# Altium PCB IceZUM_Core_HX1K.PcbDoc (part 1 of 2) (continued)
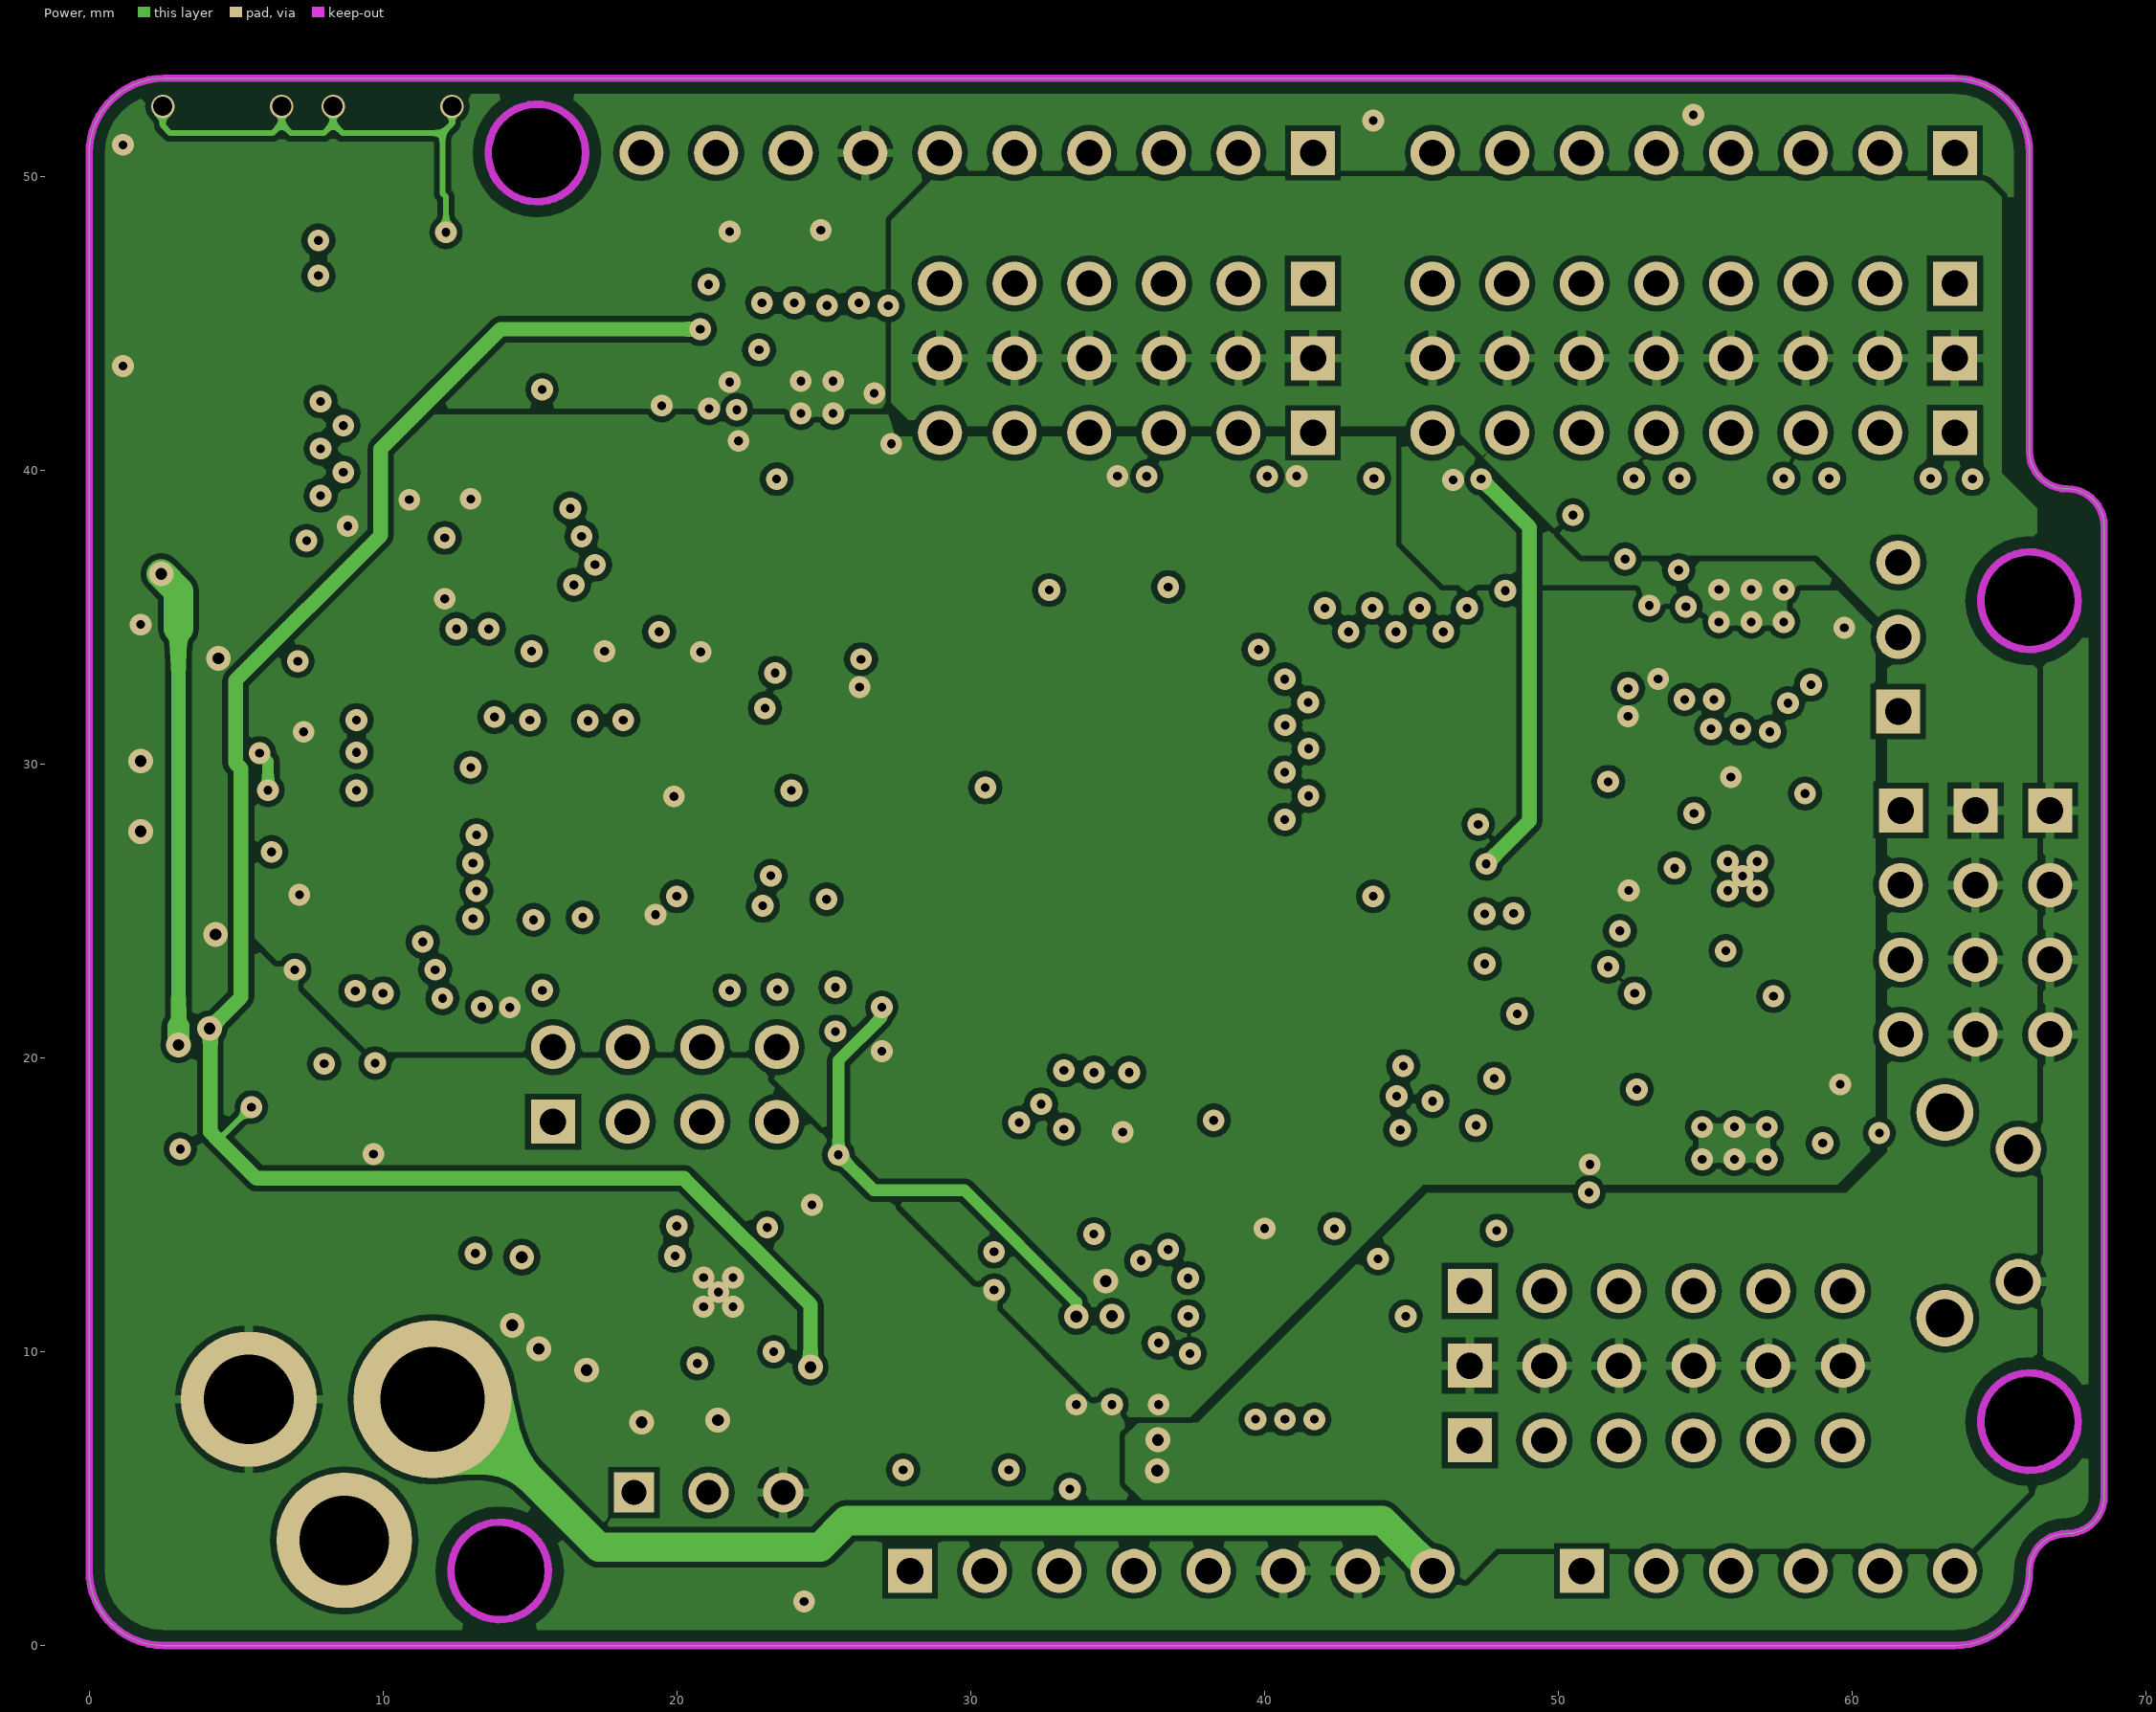
[diagram p3: Power]
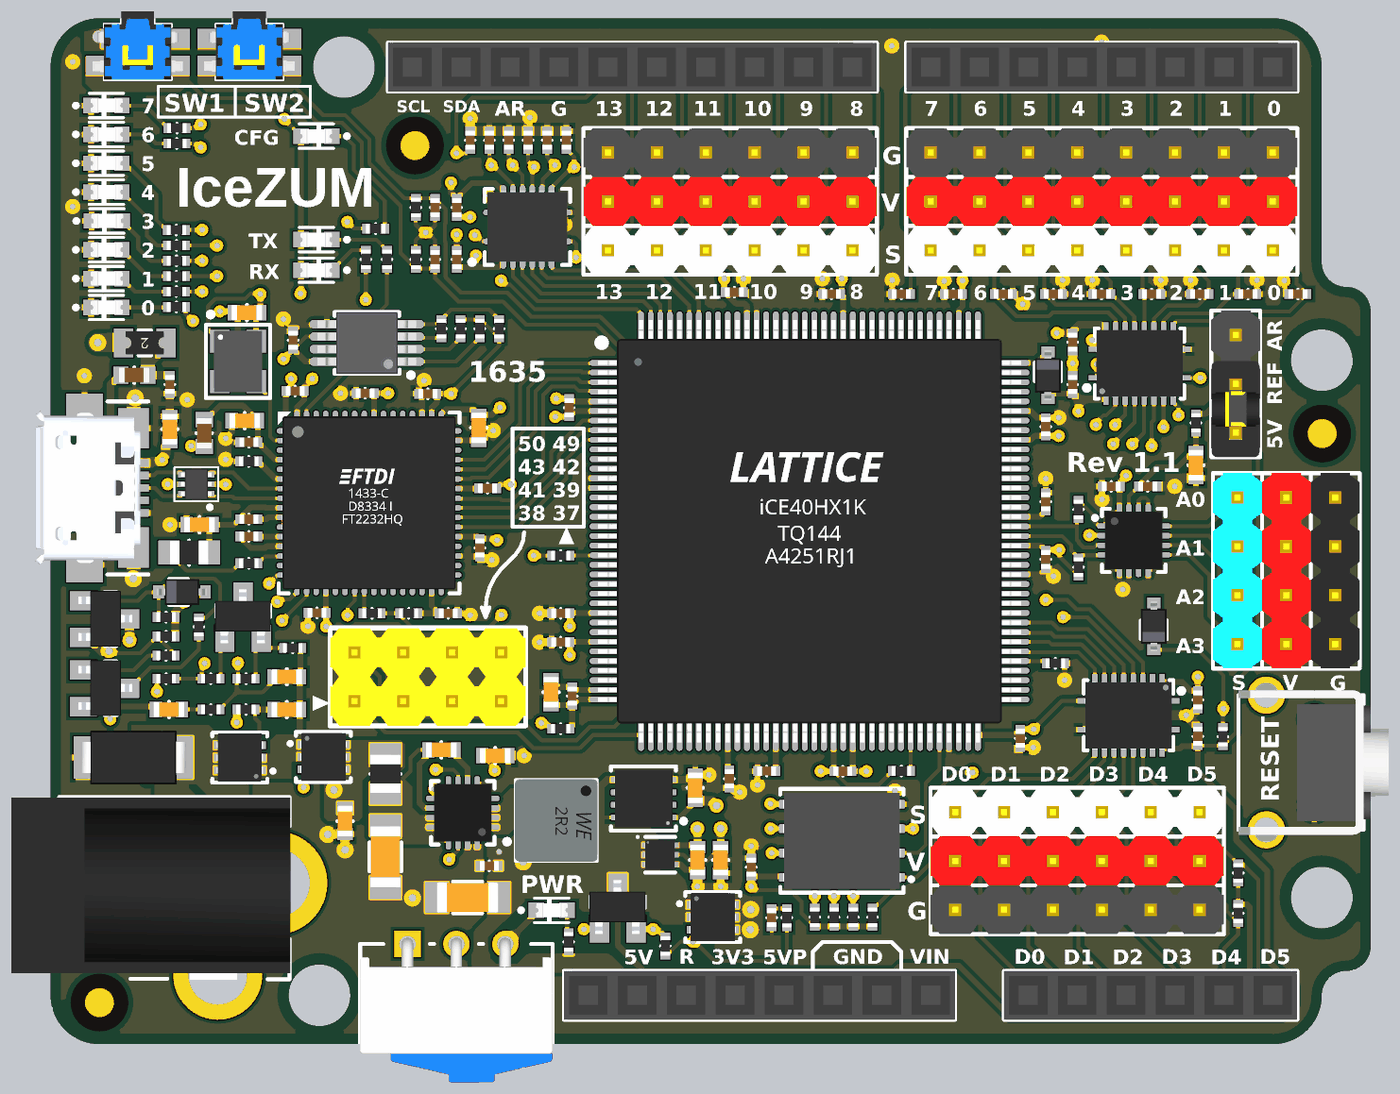
[diagram p5: 3D render of the assembled board from above, using the file's embedded part models]

## Layer stack, top to bottom
Top Solder: solder mask 0.0102, Solder Resist, Dk 3.5
Top Layer: signal copper 0.0356
Dielectric 1: prepreg 0.127, FR-4, Dk 4.2
GND: signal copper 0.036
Dielectric 3: core 1.14, Dk 4.2
Power: signal copper 0.036
Dielectric 2: prepreg 0.127, Dk 4.2
Bottom Layer: signal copper 0.0356
Bottom Solder: solder mask 0.0102, Solder Resist, Dk 3.5

## Board outline
0,2.54 ccw(c2.54,2.54) 2.54,0 63.5,0 ccw(c63.5,2.54) 66.04,2.54 cw(c67.31,2.54) 67.31,3.81 ccw(c67.31,5.08) 68.58,5.08 68.58,38.1 ccw(c67.31,38.1) 67.31,39.37 cw(c67.31,40.64) 66.04,40.64 66.04,50.8 ccw(c63.5,50.8) 63.5,53.34 2.54,53.34 ccw(c2.54,50.8) 0,50.8

## Design rules (kind name [scope] priority, off if disabled: settings)
AssemblyTestPointUsage [InNetClass('Test Points')] p1: allowmultiple=TRUE
AssemblyTestpoint [InNetClass('Test Points')] p1: testpointundercomponent=TRUE minsize=0.64 maxsize=2 preferedsize=0.74 minholesize=0 maxholesize=0.4 preferedholesize=0.4 testpointgrid=0.025 usegrid=FALSE gridtolerance=0 allowsidetop=TRUE allowsidebottom=TRUE
Clearance Clearance_KO [OnLayer('Keep-Out Layer')] p1: gap=0.4
Clearance [All] p2: gap=0.2
DiffPairsRouting [All] p1: maxlimit=0.2 minlimit=0.2 mostfreqgap=0.2 toplayer_minwidth=0.2 toplayer_maxwidth=0.2 toplayer_prefwidth=0.2 midlayer1_minwidth=0.2 midlayer1_maxwidth=0.2 midlayer1_prefwidth=0.2 midlayer2_minwidth=0.2 midlayer2_maxwidth=0.2 midlayer2_prefwidth=0.2 bottomlayer_minwidth=0.2 bottomlayer_maxwidth=0.2 bottomlayer_prefwidth=0.2 maxuncoupledlength=12.7
FabricationTestPointUsage [All] p1 off: valid=0 allowmultiple=FALSE
FabricationTestpoint [All] p1 off: side=3 testpointundercomponent=TRUE minsize=1.016 maxsize=2.54 preferedsize=1.524 minholesize=0 maxholesize=1.016 preferedholesize=0.813 testpointgrid=0.025 allowsidetop=TRUE allowsidebottom=TRUE usegrid=TRUE gridtolerance=0
FanoutControl Fanout_BGA [IsBGA] p1 off: bgadir=Out bgaviamode=Centered fanoutstyle=Auto fanoutdirection=Alternating viagrid=0.025 // Fanout_BGA (Default Rule)
FanoutControl Fanout_LCC [IsLCC] p2 off: bgadir=Out bgaviamode=Centered fanoutstyle=Auto fanoutdirection=Alternating viagrid=0.025 // Fanout_LCC (Default Rule)
FanoutControl Fanout_SOIC [IsSOIC] p3 off: bgadir=Out bgaviamode=Centered fanoutstyle=Auto fanoutdirection=Alternating viagrid=0.025 // Fanout_SOIC (Default Rule)
FanoutControl Fanout_Small [(CompPinCount < 5)] p4 off: bgadir=Out bgaviamode=Centered fanoutstyle=Auto fanoutdirection=OutThenIn viagrid=0.025 // Fanout_Small (Default Rule)
FanoutControl Fanout_Default [All] p5 off: bgadir=Out bgaviamode=Centered fanoutstyle=Auto fanoutdirection=Alternating viagrid=0.025 // Fanout_Default (Default Rule)
Height [All] p1 off: minheight=0 maxheight=25.4 prefheight=12.7
HoleSize [All] p1: absolutevalues=TRUE maxlimit=3.6 minlimit=0.3 maxpercent=80.000 minpercent=20.000
HoleToHoleClearance [All] p1: gap=0.25 allowstackedmicrovias=TRUE
MinimumAnnularRing OnlyTMBVias [(ObjectKind = 'Via') And (PadStackMode <> 'Top-Middle-Bottom')] p1: minimumring=10
MinimumAnnularRing ViaHoleSize [(ObjectKind = 'Via') And (PadStackMode = 'Top-Middle-Bottom') and (AsMM(HoleDiameter) <> 0.4) and (AsMM(HoleDiameter) <> 0.3)] p2: minimumring=10
MinimumAnnularRing MinimumAnnularRing_04 [(ObjectKind = 'Via') And (AsMM(HoleDiameter) = 0.4) And (PadStackMode = 'Top-Middle-Bottom') And ((AsMM(PadXSize_TopLayer) < 0.74) Or (AsMM(PadXSize_MidLayer1) < 0.84) Or (AsMM(PadXSize_BottomLayer) < 0.74) )] p3: minimumring=10
MinimumAnnularRing MinimumAnnularRing_03 [(ObjectKind = 'Via') And (AsMM(HoleDiameter) = 0.3) And (PadStackMode = 'Top-Middle-Bottom') And ((AsMM(PadXSize_TopLayer) < 0.64) Or (AsMM(PadXSize_MidLayer1) < 0.74) Or (AsMM(PadXSize_BottomLayer) < 0.64) )] p4: minimumring=10
MinimumSolderMaskSliver [All] p1: minsoldermaskwidth=0.1
NetAntennae [All] p1 off: netantennaetolerance=20
PolygonConnect PolygonConnect_NoTh [InPolygonClass('pcNoThermals')] p1: connectstyle=Direct reliefconductorwidth=0.254 reliefentries=4 polygonreliefangle="90 Angle" airgapwidth=0.254
PolygonConnect PolygonConnect_NoThVias [IsVia] p2: connectstyle=Direct reliefconductorwidth=0.254 reliefentries=4 polygonreliefangle="90 Angle" airgapwidth=0.254
PolygonConnect [All] p3: connectstyle=Relief reliefconductorwidth=0.3 reliefentries=4 polygonreliefangle="90 Angle" airgapwidth=0.2
RoutingPriority [All] p1 off: routingpriority=0
RoutingTopology [All] p1 off: topology=Shortest
RoutingVias [All] p1: holewidth=0.3 width=0.64 viastyle="Through Hole" minholewidth=0.3 minwidth=0.64 maxholewidth=0.8 maxwidth=1.2
SilkToBoardRegionClearance [All] p1 off:
SilkToSilkClearance [All] p1 off: silktosilkclearance=0
SilkToSolderMaskClearance [IsPad] p1 off: minsilkscreentomaskgap=0 clearancetoexposedcopper=TRUE
SolderMaskExpansion Via_Tenting_Top [(ObjectKind = 'Via') And (TestpointAssyTop = 'False') And (TestpointAssyBottom = 'True')] p1: expansion=-2 useseparateexpansions=TRUE expansionbottom=0.075
SolderMaskExpansion Via_Tenting_Bottom [(ObjectKind = 'Via') And (TestpointAssyTop = 'True') And (TestpointAssyBottom = 'False')] p2: expansion=0.075 useseparateexpansions=TRUE expansionbottom=-2
SolderMaskExpansion Via_Tenting_TopBot [(ObjectKind = 'Via') And (TestpointAssyTop = 'False') And (TestpointAssyBottom = 'False') And (Locked = 'False')] p3: expansion=-2
SolderMaskExpansion [All] p4: expansion=0.075
Width [All] p1: maxlimit=4 minlimit=0.2 preferedwidth=0.2
10 further rules are at their usual default settings.

## Classes and differential pairs
polygon class pcNoThermals: 5VP DC_5V DCDC SW1_A SW1_B SW2_A SW2_B VIN_1 VIN_2 VIN_3 VIN_4
net class "Test Points": +1V2 +1V8_FT +3V3 +3V3_AUX +5V +5V_P POWER USB_5V
differential pair USB: +USB_P -USB_N

## Components (designator, comment, footprint, x,y, rotation, side; value= is the part's Value field where it differs from the comment)
C1 "Capacitor" C0402 40.57,39 r0 top
C2 "Capacitor" C0402 35.52,39.1 r180 top
C3 "Capacitor" C0402 35.262,13.798 r90 top
C4 "Capacitor" C0402 41.159,14.187 r180 top
C5 "Capacitor" C0402 26.5,20.9 r0 top
C6 "Capacitor" C0402 26.938,33.094 r270 top
C7 "Capacitor" C0402 51.7,25.2 r90 top
C8 "Capacitor" C0402 51.7,32.1 r270 top
C9 "Capacitor" C0402 36.4,9.2 r90 top
C10 "Capacitor" C0402 50.375,15.9 r90 top
C11 "Capacitor" C0603 26,18.3 r270 top
C12 "Capacitor" C0402 27.1,18.1 r270 top
C13 "Capacitor" C0402 37.2,14.2 r0 top
C14 "Capacitor" C0402 26.5,22.4 r0 top
C15 "Capacitor" C0402 46.9,39 r0 top
C16 "Capacitor" C0402 51.7,28.2 r270 top
C17 "Capacitor" C0603 7.737,27.009 r0 top
C18 "Capacitor" C0402 10.3,27.3 r180 top
C19 "Capacitor" C0402 10.3,26.4 r0 top
C20 "Capacitor" C0402 22.3,25.8 r90 top
C21 "Capacitor" C0402 12.701,33.958 r0 top
C22 "Capacitor" C0603 6.194,31.974 r270 top
C23 "Capacitor" C0402 6.194,34.301 r90 top
C24 "Capacitor" C0603 10.087,32.418 r0 top
C25 "Capacitor" C0402 10.3,31.3 r0 top
C26 "Capacitor" C0402 16.341,33.842 r0 top
C27 "Capacitor" C0402 22.7,28.9 r180 top
C28 "Capacitor" C0402 20.659,22.4 r180 top
C29 "Capacitor" C0402 13.841,22.424 r0 top
C30 "Capacitor" C0402 19.6,33.814 r0 top
C31 "Capacitor" C0603 22.244,32.046 r90 top
C32 "Capacitor" C0603 10.2,38.034 r0 top
C33 "Capacitor" C0402 12.6,36.6 r270 top
C34 "Capacitor" C0402 19.975,40.8 r270 top
C35 "Capacitor" C0402 19.975,43.5 r90 top
C36 "Capacitor" C0402 21.1,40.8 r90 top
C37 "Capacitor" C0402 21.1,43.5 r90 top
C38 "Capacitor" C0402 24.8,47 r270 top
C39 "Capacitor" C0402 22.8,47 r270 top
C40 "Capacitor" C0402 26.8,47 r270 top
C41 "Capacitor" C0603 59.5,30.1 r90 top
C42 "Capacitor" C0402 25.8,47 r270 top
C43 "Capacitor" C0402 23.8,47 r270 top
C44 "Capacitor" C0402 21.8,47 r270 top
C45 "Capacitor" C0402 55.1,29 r0 top
C46 "Capacitor" C0402 57,29 r0 top
C47 "Capacitor" C0402 59.6,17.9 r90 top
C48 "Capacitor" C0402 59.6,16 r90 top
C49 "Capacitor" C0402 53.1,34.3 r270 top
C50 "Capacitor" C0402 53.1,36.5 r270 top
C51 "Capacitor" C0402 59.7,39 r0 top
C52 "Capacitor" C0402 54.6,39 r0 top
C53 "Capacitor" C0402 49.5,39 r180 top
C54 "Capacitor" C0402 64.8,39 r0 top
C55 "Capacitor" C0402 62.2,39 r180 top
C56 "Capacitor" C0402 57.2,39 r180 top
C57 "Capacitor" C0402 52.1,39 r180 top
C58 "Capacitor" C0402 44.2,39 r0 top
C59 "Capacitor" C0603 33.488,13.328 r270 top
C60 "Capacitor" C0603 6.15,17.4 r180 top
C61 "Capacitor" C0603 12.269,17.392 r180 top
C62 "Capacitor" C0603 12.269,19.1 r0 top
C63 "Capacitor" C0402 37.459,6.575 r270 top
C64 "Capacitor" C0603 33.612,9.572 r90 top
C65 "Capacitor" C0603 34.812,9.572 r90 top
C66 "Capacitor" C0603 15.3,11.6 r90 top
C67 "Capacitor" C1206 17.396,9.739 r90 top
C68 "Capacitor" C0402 22.788,9.27 r0 top
C69 "Capacitor" C1206 21.664,7.628 r0 top
C70 "Capacitor" C0603 20.3,15.3 r180 top
C71 "Capacitor" C0603 23.1,15 r180 top
D1 "NSR0530HT1G" SOD323 51.812,34.772 r90 top
D2 "BZX384C5V1-E3" SOD323 6.828,23.512 r180 top
D3 "BAT54C-G3-08" SOT23-3 10,22.2 r180 top
D4 "NSR0530HT1G" SOD323 57.315,21.726 r270 top
D10 "SMAJ17CA" DO-214AC-SMA_Bidir 4.298,14.906 r180 top
F1 "0,5A" F0805 4.897,36.46 r180 top
F2 "ESDUSB" SOT563 7.574,29.113 r180 top
FD1 "Fiducial" Fiducial 18.929,46.721 r0 top
FD2 "Fiducial" Fiducial 66.062,31.746 r0 top
FD3 "Fiducial" Fiducial 2.54,2.159 r0 top locked
J1 "USB_Micro_Type_B" USB_Micro_B 3.1,28.919 r270 top
J2 "1x6 pin Header 2.54mm" "1x6 Pin Header 2.54 Red" 41.656,43.815 r180 top locked
J3 "1x6 pin Header 2.54mm" "1x6 Pin Header 2.54" 41.656,46.355 r180 top locked
J4 "1x10 Socket Header 2.54mm" "1x10 Socket Header THT 2.54mm" 41.656,50.8 r180 top locked
J5 "1x8 Socket Header 2.54mm" "1x8 Socket Header THT 2.54mm" 27.94,2.54 r0 top locked
J6 "1x6 pin Header 2.54mm" "1x6 Pin Header 2.54 White" 41.656,41.275 r180 top locked
J7 "1x8 pin Header 2.54mm" "1x8 Pin Header 2.54 Red" 63.5,43.815 r180 top locked
J8 "1x8 pin Header 2.54mm" "1x8 Pin Header 2.54" 63.5,46.355 r180 top locked
J9 "1x8 pin Header 2.54mm" "1x8 Pin Header 2.54 White" 63.5,41.275 r180 top locked
J10 "1x8 Socket Header 2.54mm" "1x8 Socket Header THT 2.54mm" 63.5,50.8 r180 top locked
J11 "1x6 Socket Header 2.54mm" "1x6 Socket Header THT 2.54mm" 50.8,2.54 r0 top locked
J12 "1x6 pin Header 2.54mm" "1x6 Pin Header 2.54 White" 46.99,12.065 r0 top locked
J13 "1x6 pin Header 2.54mm" "1x6 Pin Header 2.54 Red" 46.99,9.525 r0 top locked
J14 "1x6 pin Header 2.54mm" "1x6 Pin Header 2.54" 46.99,6.985 r0 top locked
J15 "1x4 pin Header 2.54mm" "1x4 Pin Header 2.54 Red" 64.2,28.42 r270 top
J16 "1x4 pin Header 2.54mm" "1x4 Pin Header 2.54" 66.74,28.42 r270 top
J17 "1x4 pin Header 2.54mm" "1x4 Pin Header 2.54 Blue" 61.66,28.42 r270 top
J18 "Power_Jack" "Jack 2.1" 11.684,8.382 r270 top locked
J19 "2x4 pin Header 2.54mm" "2x4 Pin Header 2.54 Yellow" 15.788,17.828 r0 top
JP1 "Jumper_3pin" "1x3 Header 2.54 JP12" 61.57,31.788 r90 top
L1 "10uH 0,1A" L0805 7.197,25.555 r0 top
L2 "BLM18SG121TN1D" L0603 4.349,34.784 r0 top
L3 "BLM18SG121TN1D" L0603 7.982,31.772 r90 top
L4 "FBMH2016HM121NT" L0806 17.396,14.05 r270 top
L5 "2,2uH 4,7A" L4040 26.272,11.628 r270 top
LD0 "Green" LED0603 2.9,38.3 r270 top
LD1 "Green" LED0603 2.9,39.8 r270 top
LD2 "Green" LED0603 2.9,41.3 r270 top
LD3 "Green" LED0603 2.923,42.8 r270 top
LD4 "Green" LED0603 2.9,44.3 r270 top
LD5 "Green" LED0603 2.9,45.8 r270 top
LD6 "Green" LED0603 2.9,47.3 r270 top
LD7 "Green" LED0603 2.9,48.8 r270 top
LD8 "Green" LED0603 13.809,40.241 r90 top
LD9 "Yellow" LED0603 13.809,41.829 r90 top
LD10 "Yellow" LED0603 13.809,47.211 r90 top
LD11 "White" LED0603 26.03,6.961 r270 top
Q1 "DMP3017" U-DFN2523-6 9.828,14.896 r90 top
Q2 "DMP3017" U-DFN2523-6 14.172,14.932 r270 top
Q3 "DMP2035U-7" SOT23-3 2.8,22.1 r90 top
Q4 "DMP3017" U-DFN2523-6 34.4,6.6 r270 top
Q5 "PMBT3906" SOT23-3 2.8,18.5 r90 top
R1 "Resistor" R0402 44.2,14.2 r0 top
R2 "Resistor" R0402 16.7,22.4 r0 top
R3 "Resistor" R0402 18.6,22.4 r180 top
R4 "Resistor" R0402 52.2,19.8 r180 top
R5 "Resistor" R0402 40.7,6.6 r270 top
R6 "Resistor" R0402 42.7,6.6 r270 top
R7 "Resistor" R0402 39.7,6.6 r270 top
R8 "Resistor" R0402 41.7,6.6 r270 top
R9 "Resistor" R0402 26.5,16.4 r180 top
R10 "Resistor" R0402 10.3,25 r180 top
R11 "Resistor" R0402 10.3,30.3 r180 top
R12 "Resistor" R0402 22.3,37.2 r90 top
R13 "Resistor" R0402 21.3,37.2 r90 top
R14 "Resistor" R0402 23.3,37.2 r270 top
R15 "Resistor" R0402 20.3,37.2 r90 top
R16 "Resistor" R0402 26.5,25.4 r0 top
R17 "Resistor" R0402 6.539,38.329 r180 top
R18 "Resistor" R0402 6.539,39.131 r180 top
R19 "Resistor" R0402 59.5,32.3 r270 top
R20 "Resistor" R0402 53.4,27.8 r90 top
R21 "Resistor" R0402 53.4,24.8 r270 top
R22 "Resistor" R0402 61.7,8.9 r270 top
R23 "Resistor" R0402 61.7,6.8 r90 top
R24 "Resistor" R0402 8.325,17.4 r180 top
R25 "Resistor" R0402 10.15,17.4 r180 top
R26 "Resistor" R0402 12.576,20.595 r180 top
R27 "Resistor" R0402 10.15,19 r0 top
R28 "Resistor" R0402 7.7,21.7 r90 top
R29 "Resistor" R0402 6,22.2 r180 top
R30 "Resistor" R0402 60.91,15.986 r270 top
R31 "Resistor" R0402 18.975,40.8 r270 top
R32 "Resistor" R0402 18.975,43.5 r90 top
R33 "Resistor" R0402 31.937,5.103 r270 top
R34 "Resistor" R0402 26.915,5.32 r270 top
R35 "Resistor" R0402 38.248,6.577 r90 top
R36 "Resistor" R0402 6,19 r0 top
R37 "Resistor" R0402 8.325,19 r0 top
R38 "Resistor" R0402 6,20.2 r0 top
R39 "Resistor" R0402 6,21.2 r180 top
R40 "Resistor" R0402 6.539,39.929 r180 top
R41 "Resistor" R0402 6.539,40.729 r180 top
R42 "Resistor" R0402 6.539,41.529 r180 top
R43 "Resistor" R0402 6.535,42.328 r180 top
R44 "Resistor" R0402 6.56,46.828 r180 top
R45 "Resistor" R0402 6.563,47.628 r180 top
R46 "Resistor" R0402 16.885,42.403 r180 top
R47 "Resistor" R0402 16.378,40.8 r90 top
R48 "Resistor" R0402 17.478,40.8 r90 top
SW1 "Switch_4P_SP" WE_434331013822#1 4.528,51.584 r180 top
SW2 "Switch_4P_SP" WE_434331013822#2 10.328,51.587 r180 top
SW3 "SPDT Switch" "Slide SW SPDT Right Angle" 18.542,5.207 r0 top locked
SW4 "Switch" SW_Vert_THT_7.5x6x6.5 65.659,16.891 r270 top locked
U1 "iCE40HX1K-TQ144" TQFP-144_IPC-MD_HX1K 39.427,26.67 r0 top locked
U2 "N25Q032A" "DFN-8 6x5mm" 41.112,10.572 r90 top
U3 "FT2232H" FTDI_QFN-64 16.546,28.135 r0 top
U4 "DSC1001" "OSC 3.2x2.5" 9.738,35.498 r270 top
U5 "93LC56C" MSOP8 16.432,36.46 r180 top
U6 "TXB0106" QFN16#1 24.772,42.488 r0 top
U7 "ADS7924" QFN16#2 56.272,26.188 r0 top
U8 "TXS0108" "VQFN20 4.5x3.5mm" 56,17.1 r180 top
U9 "TXB0108" "VQFN20 4.5x3.5mm" 56.572,35.388 r0 top
U10 "AP7361" U-DFN3030-8 30.812,12.772 r90 top
U11 "TLV711" WSON-6-1,5x1,5mm 31.672,9.846 r0 top
U12 "TPS62133RGTR" QFN16#3 21.414,12.028 r180 top
U13 "APX810_SOT23" SOT23-3 29.467,7.079 r180 top

## Footprints (in the part's own frame and the unit in brackets; to place one, negate y for a bottom-side part, rotate by r counter-clockwise, add the part's x,y. Pads: shape width x height; smd on the part's side, far side on the other; paste and mask are expansions set on the pad)
"1x3 Header 2.54 JP12" [mm] "3 pin Header pitch 2.54mm, Jumper 1-2"
  rect 1.5x1.5 hole 0.9: 1(0,0)
  round 1.5 hole 0.9: 2(2.54,0) 3(5.08,0)
  silkscreen extent -1.27,-1.27 6.35,1.27, body extent -1.27,-1.27 6.35,1.27, height 8.54
"1x4 Pin Header 2.54" [mm] "4 pin Header pitch 2.54mm"
  rect 1.5x1.5 hole 0.9: 1(0,0)
  round 1.5 hole 0.9: 2(2.54,0) 3(5.08,0) 4(7.62,0)
  silkscreen extent -1.27,-1.27 8.89,1.27, body extent -1.27,-1.27 8.89,1.27, height 8.2
"1x4 Pin Header 2.54 Blue" [mm] "4 pin Header pitch 2.54mm, Blue"
  rect 1.5x1.5 hole 0.9: 1(0,0)
  round 1.5 hole 0.9: 2(2.54,0) 3(5.08,0) 4(7.62,0)
  silkscreen extent -1.27,-1.27 8.89,1.27, body extent -1.27,-1.27 8.89,1.27, height 8.2
"1x4 Pin Header 2.54 Red" [mm] "4 pin Header pitch 2.54mm, Red"
  rect 1.5x1.5 hole 0.9: 1(0,0)
  round 1.5 hole 0.9: 2(2.54,0) 3(5.08,0) 4(7.62,0)
  silkscreen extent -1.27,-1.27 8.89,1.27, body extent -1.27,-1.27 8.89,1.27, height 8.2
"1x6 Pin Header 2.54" [mm] "6 pin Header pitch 2.54mm"
  rect 1.5x1.5 hole 0.9: 1(0,0)
  round 1.5 hole 0.9: 2(2.54,0) 3(5.08,0) 4(7.62,0) 5(10.16,0) 6(12.7,0)
  silkscreen extent -1.27,-1.27 13.97,1.27, body extent -1.27,-1.27 13.97,1.27, height 8.2
"1x6 Pin Header 2.54 Red" [mm] "6 pin Header pitch 2.54mm Red"
  rect 1.5x1.5 hole 0.9: 1(0,0)
  round 1.5 hole 0.9: 2(2.54,0) 3(5.08,0) 4(7.62,0) 5(10.16,0) 6(12.7,0)
  silkscreen extent -1.27,-1.27 13.97,1.27, body extent -1.27,-1.27 13.97,1.27, height 8.2
"1x6 Pin Header 2.54 White" [mm] "6 pin Header pitch 2.54mm, White"
  rect 1.5x1.5 hole 0.9: 1(0,0)
  round 1.5 hole 0.9: 2(2.54,0) 3(5.08,0) 4(7.62,0) 5(10.16,0) 6(12.7,0)
  silkscreen extent -1.27,-1.27 13.97,1.27, body extent -1.27,-1.27 13.97,1.27, height 8.2
"1x6 Socket Header THT 2.54mm" [mm] "6 Socket Header pitch 2.54mm"
  rect 1.5x1.5 hole 0.9: 1(0,0)
  round 1.5 hole 0.9: 2(2.54,0) 3(5.08,0) 4(7.62,0) 5(10.16,0) 6(12.7,0)
  silkscreen extent -1.27,-1.27 13.97,1.27, body extent -1.28,-1.27 13.96,1.27, height 8.3
"1x8 Pin Header 2.54" [mm] "8 pin Header pitch 2.54mm"
  rect 1.5x1.5 hole 0.9: 1(0,0)
  round 1.5 hole 0.9: 2(2.54,0) 3(5.08,0) 4(7.62,0) 5(10.16,0) 6(12.7,0) 7(15.24,0) 8(17.78,0)
  silkscreen extent -1.27,-1.27 19.05,1.27, body extent -1.27,-1.27 19.05,1.27, height 8.2
"1x8 Pin Header 2.54 Red" [mm] "8 pin Header pitch 2.54mm, Red"
  rect 1.5x1.5 hole 0.9: 1(0,0)
  round 1.5 hole 0.9: 2(2.54,0) 3(5.08,0) 4(7.62,0) 5(10.16,0) 6(12.7,0) 7(15.24,0) 8(17.78,0)
  silkscreen extent -1.27,-1.27 19.05,1.27, body extent -1.27,-1.27 19.05,1.27, height 8.2
"1x8 Pin Header 2.54 White" [mm] "8 pin Header pitch 2.54mm, White"
  rect 1.5x1.5 hole 0.9: 1(0,0)
  round 1.5 hole 0.9: 2(2.54,0) 3(5.08,0) 4(7.62,0) 5(10.16,0) 6(12.7,0) 7(15.24,0) 8(17.78,0)
  silkscreen extent -1.27,-1.27 19.05,1.27, body extent -1.27,-1.27 19.05,1.27, height 8.2
"1x8 Socket Header THT 2.54mm" [mm] "8 Socket Header pitch 2.54mm"
  rect 1.5x1.5 hole 0.9: 1(0,0)
  round 1.5 hole 0.9: 2(2.54,0) 3(5.08,0) 4(7.62,0) 5(10.16,0) 6(12.7,0) 7(15.24,0) 8(17.78,0)
  silkscreen extent -1.27,-1.27 19.05,1.27, body extent -1.27,-1.27 19.05,1.27, height 8.3
"1x10 Socket Header THT 2.54mm" [mm] "10 Socket Header pitch 2.54mm"
  rect 1.5x1.5 hole 0.9: 1(0,0)
  round 1.5 hole 0.9: 2(2.54,0) 3(5.08,0) 4(7.62,0) 5(10.16,0) 6(12.7,0) 7(15.24,0) 8(17.78,0) 9(20.32,0) 10(22.86,0)
  silkscreen extent -1.27,-1.27 24.13,1.27, body extent -1.27,-1.27 24.13,1.27, height 8.3
"2x4 Pin Header 2.54 Yellow" [mm] "8 dual pin Header pitch 2.54mm, Yellow"
  rect 1.5x1.5 hole 0.9: 1(0,0)
  round 1.5 hole 0.9: 2(0,2.54) 3(2.54,0) 4(2.54,2.54) 5(5.08,0) 6(5.08,2.54) 7(7.62,0) 8(7.62,2.54)
  silkscreen extent -1.27,-1.28 8.89,3.81, body extent -1.27,-1.27 8.89,3.81, height 8.2
C0402 [mm] "Chip Capacitor, Body 1.0x0.5mm, IPC High Density"
  rect 0.45x0.5 smd: 1(-0.475,0) 2(0.475,0)
  silkscreen extent 0,-0.25 0,0.25, body extent -0.49,-0.25 0.49,0.25, height 0.5
C0603 [mm] "Chip Capacitor, Body 1.6x0.8mm, IPC High Density"